# Allegro board Try it by yourself - iMX6Rex module - DIFF Pair activities.brd (continued)
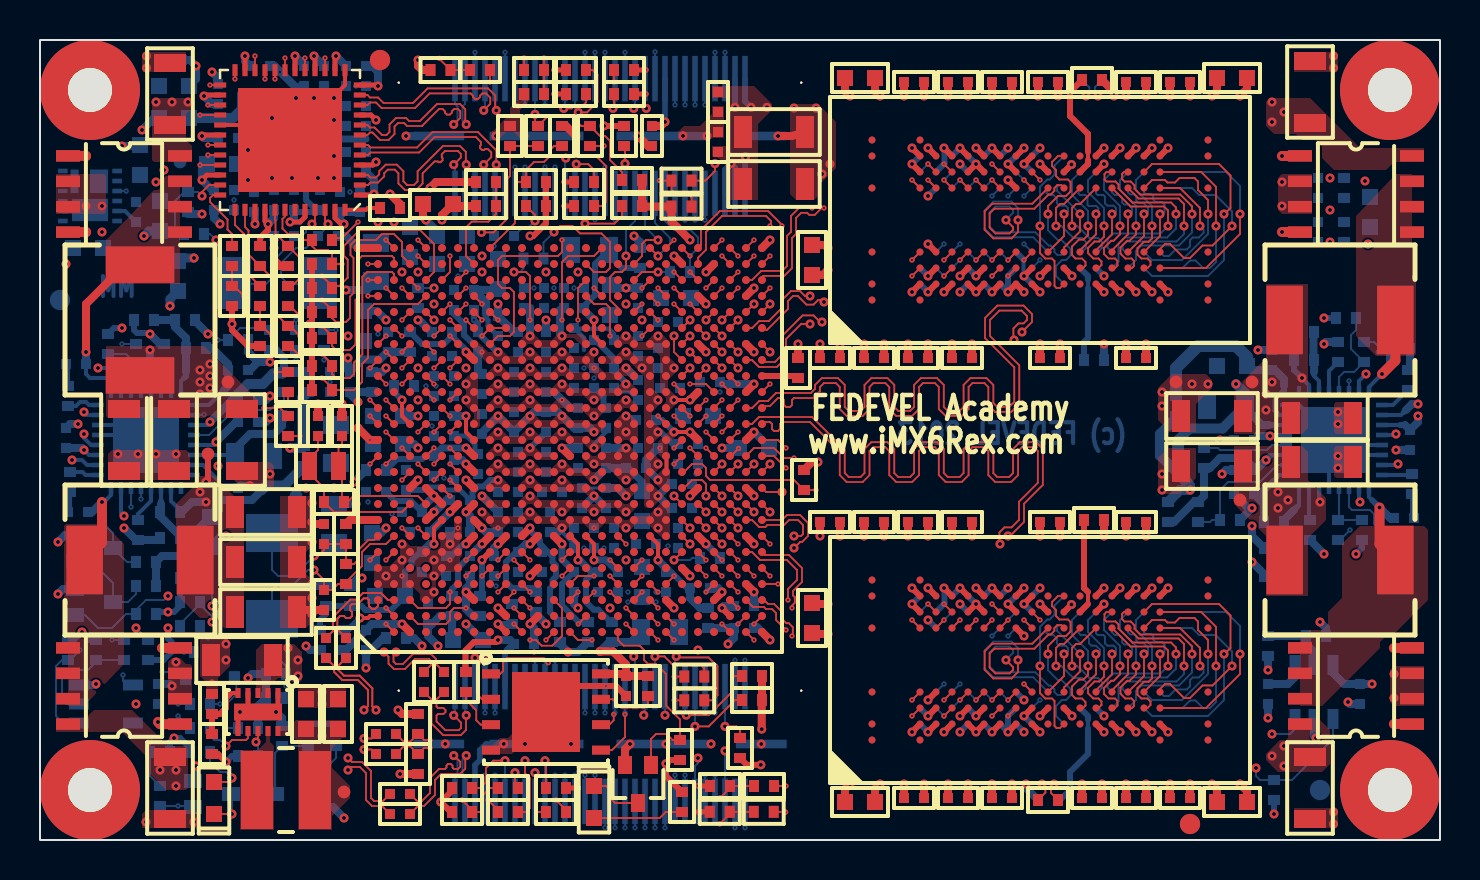
[diagram p0: board, top side]
## Routing (per net, layer and track width the routed paths; a pad name or vN(x,y) marks a point on that pad's centre or on a via; arc(x,y) is an arc through that point) (continued)
+DDR_VREF: length 169
  TOP w0.3: v1(34.1,11.6) U1.AC2 ; U4.M8 v1(53.2,33.8) ; U2.H1 v1(50,5.4) ; U4.H1 v1(50,27.4) ; U2.M8 v1(53.2,11.8)
  TOP w0.4: C9.1 v1(51,24.8) ; v1(50.9,37.2) C8.1 ; C4.1 v1(53.1,2.8) ; v1(51,15.2) C3.1
  L5 (PWR) w0.5: 40.6,16.1 40.6,14.5
  L5 (PWR) w0.6: 53.4,3.1 v1(53.1,2.8)
  L5 (PWR) w0.8: v1(53.2,28.2) 52.63,28.2 50.63,26.2 50.6,26.2 ; v1(53.2,33.8) 52.97,33.8 51.82,34.95 51.05,34.95 50.2,35.8 50.2,36.05 ; 50.2,36.05 50,35.85 v1(50,34.6) ; 50.2,36.05 50.62,36.48 50.62,36.92 v1(50.9,37.2) 51.8,36.3 56.7,36.3 60.7,32.3 61.6,32.3 ; v1(50,27.4) 50.6,26.8 50.6,26.2 ; 63.3,30.8 62.82,30.33 62.82,29.83 56.2,23.2 44,23.2 40.6,19.8 40.6,16.1 ; v1(34.1,11.6) 38,11.6 40.6,14.2 40.6,14.5 ; 53.4,3.1 54.4,4.1 58.1,4.1 62.3,8.3 62.3,10.7 64.92,13.33 64.92,17.13 65.7,17.9 65.7,22.27 63.47,24.5 63.47,26.63 65.22,28.38 65.22,29.8 ; 51,13.77 51,13.6 v1(50,12.6) ; 51,13.77 v1(51,15.2) 52,16.2 57.5,16.2 58.9,14.8 62,14.8 63.2,16 63.2,20.43 62.32,21.3 62.32,27.33 63.6,28.6 63.6,29.9 ; 51,13.77 52.97,11.8 v1(53.2,11.8) ; 50.6,26.2 50.6,25.35 51,24.95 v1(51,24.8) 51.1,24.9 52.1,24.9 52.72,25.53 55.82,25.53 61.3,31 61.6,31 ; 52.47,4.23 52.47,5.7 52.97,6.2 v1(53.2,6.2) ; 52.47,4.23 52.47,3.63 53.1,3 v1(53.1,2.8) ; 52.47,4.23 51.3,5.4 v1(50,5.4)
  BOTTOM w0.3: U3.M8 v1(53.2,6.2) ; U3.H1 v1(50,12.6) ; U5.H1 v1(50,34.6) ; U5.M8 v1(53.2,28.2)
  BOTTOM w0.4: C7.1 34.2,11.7 v1(34.1,11.6) ; v1(51,15.2) C3.1 ; C4.1 v1(53.1,2.8) ; v1(50.9,37.2) C8.1 ; C9.1 v1(51,24.8)
  vias: v1(64.5,31.5)
+HDMI_VP: length 4.8
  TOP w0.4: v1(24.5,14.8) U1.L7
  BOTTOM w0.3: R23.2 24.6,12.6 23.6,12.6 23.3,12.9 23.3,13.9 23.8,14.4 C75.1
  BOTTOM w0.4: C75.1 24.3,14.8 v1(24.5,14.8)
+HDMI_VPH: length 5.8
  TOP w0.4: U1.M7 v1(26.1,14.8)
  BOTTOM w0.3: R27.2 26.93,10.9 26.1,11.73 26.1,12.8 C76.1
  BOTTOM w0.35: v1(26.1,14.8) 26.1,14.03 26.7,13.43 C76.1
+LVDS_2V5: length 5.3
  TOP w0.2: v1(30.9,14) 30.9,14.8 U1.V7
  BOTTOM w0.3: C243.1 32.36,12.6 31.56,13.4 31.4,13.4
  BOTTOM w0.4: C243.1 32.5,12.1 33,11.6 R34.2 ; v1(30.9,14) 31.4,13.5 31.4,13.4 C77.1
+NVCC_CSI: length 6
  TOP w0.2: U1.N7 26.9,14.8 v1(26.9,14)
  BOTTOM w0.3: 27.7,13.4 27.3,13 27.3,11.9 27.69,11.51 27.91,11.51 28.53,10.9 R76.1
  BOTTOM w0.35: C145.1 27.59,13.4 26.99,14 v1(26.9,14)
+NVCC_ENET: length 8.2
  TOP w0.2: 27.7,26.1 v1(27.7,26) 27.7,25.2 U1.R19
  BOTTOM w0.3: R74.1 29.88,28.6 ; 29.88,28.6 29.08,28.6 28.45,29.23 C156.1 28.35,29.4 27.75,28.8 27.75,27.25 27.1,26.6 27.2,26.5 ; 29.88,28.6 29.98,28.7 30.1,28.7
  BOTTOM w0.4: v1(27.7,26) 27.2,26.5 C155.1
+NVCC_MIPI: length 6.4
  TOP w0.4: U1.K7 v1(24.5,15.6)
  BOTTOM w0.3: 25.1,14.7 25.62,14.17 25.62,13.9 25.8,13.73 25.8,13.17 25.62,13 25.62,12.7 25.5,12.58 25.5,11.4 R78.1 ; 25.1,14.7 C149.1 ; 25.1,14.7 25,14.8 25,14.97 24.5,15.47 v1(24.5,15.6)
+NVCC_RGMII: length 4.4
  TOP w0.4: v1(21.3,24.4) U1.G18
  BOTTOM w0.3: R80.1 19.1,24.8 20.2,24.8 20.6,25.2 ; 20.6,25.2 21.3,24.5 v1(21.3,24.4) ; 20.6,25.2 C152.1
+PCIE_VP: length 3.8
  TOP w0.4: v1(22.1,14.8) U1.H7
  BOTTOM w0.3: R13.2 20.6,12.54 20.9,12.84 20.9,13.6 C61.1
  BOTTOM w0.4: C61.1 v1(22.1,14.8)
+PCIE_VPH: length 2.8
  TOP w0.4: v1(21.3,14.8) U1.G7
  BOTTOM w0.3: v1(21.3,14.8) 21.17,14.8 20.57,14.2 C64.1
  BOTTOM w0.4: R14.2 18.7,10.1 v1(19.1,9.7)
+PCIE_VPTX: length 2.6
  TOP w0.4: U1.G8 v1(22.1,15.6)
  BOTTOM w0.4: v1(22.1,15.6) 22.3,15.4 C62.1 ; v1(21.3,10.8) 22.1,10 FB1.2
+SATA_VP: length 2.7
  TOP w0.2: v1(21.3,21.2) 21.3,20.4 U1.G13
  BOTTOM w0.4: R18.2 17.1,23.4 v1(17.3,23.6) ; C68.1 v1(21.3,21.2)
+SATA_VPH: length 5
  TOP w0.4: v1(21.3,19.6) U1.G12
  BOTTOM w0.3: R19.2 17.85,19.05 19.1,19.05 19.25,19.2 C73.1
  BOTTOM w0.35: v1(21.3,19.6) 20.1,19.6 C73.1
+VREF1_2V_1V5: length 3.6
  BOTTOM w0.2: 61,17.3 61,17 ; U13.1 61.95,18.25 61.68,17.98
  BOTTOM w0.3: 61.68,17.98 61.4,17.7
  BOTTOM w0.4: R135.2 61.2,16.8 61,17 C238.1 ; 61.4,17.7 61,17.3
+VREF1_2V_1V375: length 4.6
  BOTTOM w0.2: 9.1,22.4 8.45,21.75 U11.1
  BOTTOM w0.3: 9.22,22.52 9.1,22.4
  BOTTOM w0.4: R120.1 8.6,24.6 9.4,23.8 C219.1 9.4,22.7 9.22,22.52
+VREF1_3V3_1V5: length 9.5
  L5 (PWR) w0.6: v1(61.5,20.2) 59.9,18.6 59.9,16.4 v1(60.6,15.7)
  BOTTOM w0.2: C237.1 60.7,20.1 60.85,20.25 61.5,20.25 v1(61.5,20.2) 61.55,20.25 U13.5
  BOTTOM w0.4: R134.2 60.6,15.2 v1(60.6,15.7) ; C237.1 60.9,20.2 v1(61.5,20.2)
+VREF1_3V3_1V375: length 10.3
  L10 w0.5: v1(8.4,25.3) 7.4,24.3 7.4,20.9 8.4,19.9 v1(8.8,19.9)
  BOTTOM w0.2: v1(8.8,19.9) 8.65,19.75 U11.5
  BOTTOM w0.4: R119.2 7.75,25.95 v1(8.4,25.3) ; v1(8.8,19.9) 9.8,20.9 C218.1
AUD3_CLK: length 4.6
  TOP w0.093: R160.2 33.21,8.59 32.99,8.81 31.59,8.81 31.22,9.18 v1(30.75,9.18)
  BOTTOM w0.101: J2.20 v1(30.75,9.18)
AUD3_CLK_R: length 10.8
  TOP w0.093: v2(31.71,8.17) R160.1 ; v2(28.5,14) U1.T5
  L2 w0.1: v2(31.71,8.17) v3(32.11,8.17) ; v3(28.2,13.7) v2(28.5,14)
  L3 w0.08: v3(32.11,8.17) 31.84,7.9 30.95,7.9 30.06,8.79 30.06,9.34 29.23,10.17 28.8,10.17 28.22,10.74 28.22,11.17 27.7,11.7 27.7,13.2 v3(28.2,13.7)
AUD3_RXD: length 11.3
  TOP w0.093: U1.N3 v2(26.9,12.4)
  L2 w0.1: v2(26.9,12.4) v3(26.9,12.8)
  L3 w0.08: v3(26.9,12.8) 26.9,12.13 27.27,11.76 27.27,11.17 26.9,10.8 26.9,10.4 27.42,9.88 27.42,9.19 27.77,8.84 28.55,8.84 28.99,8.41 29.3,8.41 30.19,7.52 v1(30.19,6.24)
  BOTTOM w0.093: v1(30.19,6.24) 30.25,6.31 J2.22
AUD3_TXC: length 6
  TOP w0.093: v1(31.81,9.18) 31.87,9.13 33.43,9.13 33.87,8.68 33.87,7.24 33.62,6.98 R72.2
  BOTTOM w0.101: v1(31.81,9.18) 31.75,9.12 J2.16
AUD3_TXC_R: length 8.3
  TOP w0.093: v2(31.71,6.98) R72.1 ; U1.N1 26.9,10 v2(27.6,10)
  L2 w0.1: v2(27.6,10) v3(27.9,10.3) ; v2(31.71,6.98) v3(32.11,6.98)
  L3 w0.08: v3(27.9,10.3) 27.9,10.06 29.16,8.81 29.57,8.81 31.39,6.98 v3(32.11,6.98)
AUD3_TXD: length 9
  TOP w0.093: v2(26.91,10.8) 27.31,11.2 U1.P2
  L2 w0.1: v2(26.91,10.8) v3(27.21,10.5)
  L3 w0.08: v3(27.21,10.5) 27.62,10.09 27.62,9.27 27.86,9.04 28.63,9.04 29.07,8.61 29.43,8.61 30.45,7.59 30.45,7.23 31.25,6.43 v1(31.25,6.24)
  BOTTOM w0.093: v1(31.25,6.24) J2.18
AUD3_TXFS: length 8.6
  TOP w0.093: v2(27.7,13.2) 26.9,13.2 U1.N4
  L2 w0.1: v3(27.3,13.2) v2(27.7,13.2)
  L3 w0.08: v1(29.69,9.18) 29.16,9.18 28.2,10.14 28.2,10.42 27.5,11.12 27.5,11.81 27.3,12.01 v3(27.3,13.2)
  BOTTOM w0.093: J2.24 29.75,9.12 v1(29.69,9.18)
BOARD_VARIANT_0: length 5.4
  TOP w0.093: R143.2 R111.1 22.8,31.3 22.41,30.92 21.58,30.92 21.3,30.63 21.3,29.2 U1.G24
BOARD_VARIANT_1: length 7.4
  TOP w0.093: U1.H25 23.75,30.85 23.75,32.75 23.9,32.9 R137.1 24.3,33.5 24.7,33.9 25.2,33.9 25.5,34.2 25.5,34.5 25.7,34.7 R144.2
BOOT_MODE: length 57.8
  L10 w0.08: v5(23.55,39.08) 23.31,39.33 21.82,39.33 17.17,34.68 17.17,33.57 17.07,33.48 17.07,31.68 15.4,30 12.63,30 8.9,26.27 8.4,26.27 6.75,24.62 6.75,23.95 6.6,23.8 6.6,20.5 7.6,19.5 7.6,17.1 7.3,16.8 7.3,14.8 7.1,14.6 7.1,12.6 7.5,12.2 7.5,10.5 8,10 8,6.7 8.4,6.3 8.4,4.1 8.58,3.92 8.58,3.12 9.2,2.5 10.9,2.5 11.2,2.2 13.05,2.2 v5(13.25,2.4)
  L11 w0.1: v6(23.25,39.38) v5(23.55,39.08) ; v5(13.25,2.4) v6(13.65,2.4)
  BOTTOM w0.093: v6(13.65,2.4) Q9.1 13.65,3.45 14,3.8 14.5,3.8 14.8,4.1 R165.1 ; J1.50 v6(23.25,39.38)
BOOT_MODE0: length 39.1
  TOP w0.093: v2(18.1,19.6) U1.C12
  L2 w0.1: v2(18.1,19.6) v3(18.4,19.3)
  L3 w0.08: v4(10.3,1.4) 10.02,1.68 8.07,1.68 7.7,1.3 6.6,1.3 6.4,1.5 6.4,4.17 7.22,5 7.22,10.31 6.53,11 6.27,11 6,11.27 6,13.6 7.93,15.53 8.26,15.53 9.46,16.73 11.61,16.73 12.25,17.37 12.25,17.83 13.32,18.9 15.8,18.9 16.3,19.4 18.3,19.4 v3(18.4,19.3)
  L10 w0.08: v4(10.3,1.4) v5(10.75,1.4)
  L11 w0.1: v5(10.75,1.4) v6(11.05,1.7)
  BOTTOM w0.093: v6(11.05,1.7) 11.65,2.3 Q9.3 11.75,4.35 R58.2 R104.1
BOOT_MODE1: length 26.1
  TOP w0.093: v2(20.5,19.6) U1.F12
  L2 w0.1: v2(20.5,19.6) v3(20.8,19.9)
  L3 w0.08: v3(20.8,19.9) 20.8,19.57 21.17,19.2 21.5,19.2 21.8,18.9 21.8,18.6 21.6,18.4 20.8,18.4 20.6,18.6 18.69,18.6 18.32,18.24 18.32,18.09 17.46,17.23 13.26,17.23 11.83,15.8 10.43,15.8 9.46,14.83 8.39,14.83 7.4,13.83 7.4,11.4 7.9,10.9 v1(8.6,10.9)
  BOTTOM w0.093: 8,11.8 R103.1 ; 8,11.8 8,11.77 8.6,11.17 v1(8.6,10.9) ; 8,11.8 7,10.8 R57.2
CFF: length 1.2
  BOTTOM w0.2: C179.2 4.25,31.45 U9.11
CLK1_C_N: length 15.9
  TOP w0.09: v2(18.1,15.6) U1.C7 ; C66.1 16.57,4.53 v1(16.2,4.53)
  L2 w0.1: v2(18.1,15.6) v3(18.4,15.9)
  L3 w0.085: v3(18.4,15.9) v4(18.7,15.6)
  L10 w0.085: v1(16.2,4.53) 15.57,4.53 15.3,4.8 15.3,5.62 15.51,5.82 15.51,7 17.28,8.78 17.8,8.78 18.3,9.28 18.3,9.82 18.47,9.98 18.47,11.66 18.97,12.17 18.97,15.33 v4(18.7,15.6)
CLK1_C_P: length 15.5
  TOP w0.09: C67.1 16.57,5.08 v1(16.2,5.08) ; v2(18.9,15.6) U1.D7
  L2 w0.1: v2(18.9,15.6) v3(19.2,15.9)
  L3 w0.085: v3(19.2,15.9) v4(19.5,15.6)
  L10 w0.085: v1(16.2,5.08) 16.1,5.08 15.83,4.81 15.69,4.81 15.58,4.92 15.58,5.5 15.79,5.71 15.79,6.89 17.4,8.5 17.92,8.5 18.58,9.16 18.58,9.7 18.75,9.87 18.75,11.55 19.25,12.05 19.25,15.35 v4(19.5,15.6)
CLK1_N: length 11.1
  TOP w0.09: v2(19.5,4.6) 19.2,4.6 R17.2 18.52,4.68 18.17,4.68 C66.2
  L2 w0.1: v3(19.1,4.6) v2(19.5,4.6)
  L3 w0.085: v4(18.6,4.53) 18.67,4.6 v3(19.1,4.6)
  L10 w0.085: v5(23.85,5.96) 23.87,5.94 23.87,5.47 23.57,5.17 19.95,5.17 19.43,4.65 18.72,4.65 v4(18.6,4.53)
  L11 w0.1: v5(23.85,5.96) v6(24.25,6.36)
  BOTTOM w0.09: v6(24.25,6.36) J2.46
CLK1_P: length 11.1
  TOP w0.09: v2(19.5,5) 19.2,5 R16.2 18.52,4.93 18.17,4.93 C67.2
  L2 w0.1: v3(19.1,5) v2(19.5,5)
  L3 w0.085: v4(18.6,5.13) 18.72,5 v3(19.1,5)
  L10 w0.085: v5(23.35,5.96) 23.35,5.93 23.59,5.69 23.59,5.59 23.45,5.45 23.25,5.45 23.2,5.5 23.2,5.6 23.1,5.7 23,5.7 22.9,5.6 22.9,5.5 22.85,5.45 19.84,5.45 19.31,4.93 18.85,4.93 18.65,5.13 v4(18.6,5.13)
  L11 w0.1: v5(23.35,5.96) v6(23.75,6.36)
  BOTTOM w0.09: J2.48 v6(23.75,6.36)
CPU_XTALI: length 10
  TOP w0.093: U1.A7 16.7,15 16.42,15 15.9,14.48 15.9,14 15.7,13.8 R53.1 R37.1 C83.1 14.2,14.5 13.9,14.2 v1(13.7,14.2)
  BOTTOM w0.093: Y1.1 11.6,13.5 11.9,13.2 12.7,13.2 v1(13.7,14.2)
CPU_XTALO: length 10.4
  TOP w0.093: 14.3,12.6 14.2,12.6 ; 14.2,12.6 14.2,13 v1(13.7,13.5) ; 14.2,12.6 C84.1 14.6,12.5 14.9,12.8 R53.2 15.3,12.9 16.1,13.7 16.1,14.4 16.5,14.8 17.3,14.8 U1.B7
  BOTTOM w0.093: v1(13.7,13.5) 13.4,13.5 12.7,12.8 11.9,12.8 11.6,12.5 Y1.2
CSPI2_CLK: length 5.3
  BOTTOM w0.093: J1.17 31.25,30.96 31.7,30.5 32.53,30.5 32.9,30.13 32.9,29.6 32.5,29.2 R159.2
CSPI2_CLK_R: length 2
  TOP w0.093: v1(30.9,28.4) 30.1,28.4 U1.U23
  BOTTOM w0.093: v1(30.9,28.4) R159.1
CSPI2_CS0: length 4.3
  TOP w0.093: U1.V25 v1(30.9,29.2)
  BOTTOM w0.093: v1(30.9,29.2) 31.5,29.8 31.5,30.1 30.75,30.85 J1.19
CSPI2_MISO: length 4.6
  TOP w0.093: v1(30.9,30) 30.3,30 30.1,29.8 30.1,29.2 U1.U24
  BOTTOM w0.093: J1.21 30.25,30.65 v1(30.9,30)
CSPI2_MOSI: length 6.8
  TOP w0.093: U1.T21 28.9,26.6 28.5,27 28.5,28.15 28.75,28.4 29.1,28.4 29.3,28.6 v1(29.3,29.2)
  BOTTOM w0.093: v1(29.3,29.2) 29.3,30.51 29.75,30.95 J1.23
CSPI3_CLK: length 29.7
  TOP w0.093: v2(24.5,26) 24.5,28.2 24.3,28.4 v1(23.7,28.4) ; U10.6 28.46,5.77 28.69,5.99 v2(28.69,6.28)
  L2 w0.1: v2(24.5,26) v3(24.8,25.7) ; v2(28.69,6.28) v3(28.69,6.68)
  L3 w0.08: v3(24.8,25.7) 25.3,25.2 25.3,18.2 24.67,17.58 24.34,17.58 24,17.23 24,15.1 23.6,14.7 23.6,14.3 23.42,14.12 23.42,13.68 24.12,12.98 24.12,10.7 23.91,10.49 23.91,9.8 25.17,8.54 26.06,8.54 27.03,7.57 27.91,7.57 28.12,7.35 28.12,6.98 28.42,6.68 v3(28.69,6.68)
  BOTTOM w0.093: R112.2 24.17,28.58 24,28.4 v1(23.7,28.4)
CSPI3_CLK_R: length 7.6
  TOP w0.093: v1(25.7,30.4) 26,30.71 26.62,30.71 27,30.33 28.07,30.33 28.5,29.9 28.5,28.6 28.3,28.4 27.7,28.4 U1.P24
  BOTTOM w0.093: v1(25.7,30.4) 25.17,29.88 R112.1
CSPI3_CS2: length 28
  TOP w0.093: U10.1 23,8.31 23.15,8.45 23.15,8.89 23.35,9.09 25.19,9.09 v2(25.41,8.87) ; v2(26.1,26) 26.1,28.9 26.4,29.2 27.7,29.2 U1.R25
  L2 w0.1: v2(25.41,8.87) v3(25.81,8.87) ; v2(26.1,26) v3(26.4,25.7)
  L3 w0.08: v3(26.4,25.7) 26.9,25.2 26.9,17.7 26.3,17.1 25.8,17.1 25.2,16.5 25.2,12.78 25.7,12.28 25.7,11.21 25.87,11.04 25.87,9.76 25.7,9.59 25.7,8.98 v3(25.81,8.87)
CSPI3_MISO: length 27.8
  TOP w0.093: U1.P23 26.9,27.6 v2(26.9,26) ; v2(24.7,9.4) 22.57,9.4 21.84,8.67 21.84,7.3 22.11,7.04 U10.2
  L2 w0.1: v3(26.6,26.3) v2(26.9,26) ; v2(24.7,9.4) v3(25.1,9.4)
  L3 w0.08: v3(25.1,9.4) 25.23,9.4 25.67,9.84 25.67,10.96 25.5,11.13 25.5,12.1 24.9,12.7 24.9,16.58 25.72,17.4 26.2,17.4 26.6,17.8 26.6,24.5 26.27,24.83 25.94,24.83 25.72,25.04 25.72,25.43 26.6,26.3 v3(26.6,26.3)
CSPI3_MOSI: length 28.2
  TOP w0.093: U1.P22 27.7,26.8 28.3,26.8 28.5,26.6 v2(28.5,25.2) ; v2(29.25,6.28) 29.25,5.15 28.6,4.5 U10.5
  L2 w0.1: v2(29.25,6.28) v3(29.25,6.68) ; v3(28.2,24.9) v2(28.5,25.2)
  L3 w0.08: v3(29.25,6.68) 28.03,7.9 27.37,7.9 26,9.27 26,9.6 26.07,9.68 26.07,11.13 25.9,11.3 25.9,12.47 25.5,12.87 25.5,16.4 25.9,16.8 26.4,16.8 27.2,17.6 27.2,24.43 27.67,24.9 v3(28.2,24.9)
DRAM0_ZQ: length 4.8
  TOP w0.2: 52.4,12.4 52.4,11.8
  TOP w0.3: 52.4,11.8 U2.L8 ; R4.2 52.2,12.6 52.4,12.4
DRAM1_ZQ: length 5.4
  BOTTOM w0.2: 52.4,6 52.4,5.6
  BOTTOM w0.3: 52.4,6 52.4,6.2 U3.L8 ; 52.4,5.6 52.4,4.3 51.5,3.4 51.5,2.5 51,2 R5.2
DRAM2_ZQ: length 5.4
  TOP w0.2: 52.4,34.4 52.4,34
  TOP w0.3: U4.L8 52.4,33.8 52.4,34 ; 52.4,34.4 52.4,35.3 51.5,36.2 51.5,37.4 R8.2
DRAM3_ZQ: length 4.8
  BOTTOM w0.2: 52.4,28 52.4,27.6
  BOTTOM w0.3: R9.2 52.2,24.9 52.4,25.1 52.4,27.6 ; 52.4,28 52.4,28.2 U5.L8
DRAM_A0: length 70.8
  TOP w0.093: U2.N3 53.6,7.48 54.4,8.28 v1(54.4,9.3) ; v1(54.4,31.3) 54.4,30.28 53.6,29.48 U4.N3 ; v2(34.1,20.4) U1.AC14
  L2 w0.1: v2(34.1,20.4) v3(34.4,20.1)
  L3 w0.08: v4(52.9,18.6) 52.62,18.6 51.27,17.25 46.11,17.25 45.69,17.68 44.6,17.68 44.42,17.5 40.83,17.5 38.73,19.6 36.9,19.6 36.71,19.42 36.71,19.18 36.87,19.02 36.87,18.64 36.66,18.43 36.24,18.43 35.9,18.08 35.9,17.75 35.75,17.6 35.5,17.6 35.35,17.75 35.35,18.05 35.2,18.2 34.95,18.2 34.8,18.05 34.8,17.75 34.65,17.6 34.4,17.6 34.25,17.75 34.25,18.05 34.1,18.2 33.25,18.2 33.12,18.33 33.12,18.7 33.25,18.83 33.53,18.83 33.9,19.2 34.23,19.2 34.6,19.57 34.6,19.9 v3(34.4,20.1)
  L10 w0.08: v1(54.4,9.3) 54.4,9.69 57,12.29 57,13 56.77,13.23 56.45,13.23 56.25,13.42 56.25,14.49 56.11,14.63 55.86,14.63 55.71,14.48 55.71,13.84 55.56,13.69 55.31,13.69 55.15,13.85 55.15,14.69 55.28,14.82 55.55,14.82 55.67,14.94 55.67,15.63 55.55,15.75 55.28,15.75 55.15,15.88 55.15,16.62 54.72,17.05 54.22,17.05 53.77,17.5 53.77,17.75 54.17,18.15 54.17,18.4 54.02,18.55 53.77,18.55 53.37,18.15 53.12,18.15 52.9,18.37 v4(52.9,18.6) 52.1,19.4 52.1,19.65 52.25,19.8 52.5,19.8 52.7,20 52.7,21.74 53.7,22.74 53.7,23 55.12,24.43 55.46,24.43 55.67,24.64 55.67,25.42 57.3,27.04 57.3,27.76 56.26,28.8 55.99,28.8 54.4,30.39 v1(54.4,31.3)
  BOTTOM w0.093: U3.N3 53.6,10.38 53.73,10.25 53.96,10.25 54.11,10.11 54.11,9.87 54.21,9.78 54.44,9.78 54.6,9.62 54.6,9.4 54.5,9.3 v1(54.4,9.3) ; U5.N3 53.6,32.38 53.73,32.25 53.96,32.25 54.11,32.11 54.11,31.87 54.21,31.78 54.44,31.78 54.6,31.62 54.6,31.4 54.5,31.3 v1(54.4,31.3)
DRAM_A1: length 74
  TOP w0.093: U2.P7 54.92,10.08 56.92,10.08 57.2,9.8 v1(57.2,8.7) ; v1(57.2,30.7) 57.2,31.8 56.92,32.08 54.92,32.08 U4.P7 ; U1.AB14 v2(34.1,21.2)
  L2 w0.1: v3(33.8,20.9) v2(34.1,21.2)
  L3 w0.08: v3(33.8,20.9) 33.91,21.01 34.08,21.01 34.17,21.1 39.25,21.1 41.35,19 46.06,19 46.33,18.73 46.66,18.73 46.93,19 47.5,19 48.02,18.48 50.83,18.48 52.25,19.9 53.33,19.9 53.66,20.23 55.25,20.23 55.45,20.43 56.76,20.43 57.05,20.72 57.05,21.5 56.9,21.65 56.65,21.65 56.5,21.5 56.5,21.3 56.2,21 v4(55.9,21)
  L10 w0.08: v1(57.2,8.7) 57.2,9.99 58.7,11.49 58.7,17.45 56.85,19.3 56.85,19.41 55.9,20.36 v4(55.9,21) 55.9,21.23 56,21.33 56.26,21.33 56.43,21.5 57.45,21.5 57.6,21.65 57.6,21.9 57.45,22.05 56.65,22.05 56.5,22.2 56.5,22.45 56.65,22.6 56.95,22.6 57.02,22.68 57.02,23.48 59.05,25.5 59.05,28.66 57.2,30.51 v1(57.2,30.7)
  BOTTOM w0.093: U3.P7 54.27,7.4 54.12,7.55 54.12,7.74 54.31,7.93 56.82,7.93 57.2,8.3 v1(57.2,8.7) ; v1(57.2,30.7) 57.2,30.3 56.82,29.93 54.31,29.93 54.12,29.74 54.12,29.55 54.27,29.4 U5.P7
DRAM_A2: length 68.5
  TOP w0.093: v1(55.2,31.3) 55.2,30.2 U4.P3 ; v1(55.2,9.3) 55.2,8.2 U2.P3 ; U1.AA14 v2(33.3,21.2)
  L2 w0.1: v3(33,20.9) v2(33.3,21.2)
  L3 w0.08: v4(53.3,20.4) 52.45,20.4 51.55,19.5 51.07,19.5 50.9,19.68 48.98,19.68 48.85,19.55 48.85,19.1 48.7,18.95 48.45,18.95 48.3,19.1 48.3,19.45 48.15,19.6 46.88,19.6 46.78,19.7 46.6,19.7 46.45,19.85 46.45,20.25 46.3,20.4 46.05,20.4 45.9,20.25 45.9,19.85 45.75,19.7 45.5,19.7 45.35,19.85 45.35,20.25 45.2,20.4 44.95,20.4 44.8,20.25 44.8,19.85 44.65,19.7 44.4,19.7 44.25,19.85 44.25,20.55 44.1,20.7 43.85,20.7 43.7,20.55 43.7,19.85 43.55,19.7 43.3,19.7 43.15,19.85 43.15,20.55 43,20.7 42.75,20.7 42.6,20.55 42.6,19.85 42.45,19.7 42.2,19.7 42.05,19.85 42.05,20.55 41.9,20.7 41.65,20.7 41.5,20.55 41.5,20.35 41.35,20.2 41.15,20.2 39.5,21.85 36.13,21.85 36.09,21.82 34.89,21.82 34.72,21.98 34.48,21.98 34.31,21.82 34.31,21.81 33.92,21.41 33.51,21.41 v3(33,20.9)
  L10 w0.08: v1(55.2,9.3) 55.2,9.78 57.45,12.03 57.45,14.78 56.94,15.29 56.94,15.89 56.63,16.21 55.89,16.21 55.6,16.5 55.6,16.8 54.92,17.48 54.92,18.71 54.46,19.18 53.72,19.18 53.3,19.6 v4(53.3,20.4) 53.3,21.65 56.2,24.55 56.2,25.26 56.35,25.41 56.6,25.41 56.76,25.25 57,25.25 57.15,25.4 57.15,25.64 56.99,25.79 56.99,26.03 57.8,26.84 57.8,27.97 55.2,30.57 v1(55.2,31.3)
  BOTTOM w0.093: U5.P3 54.4,32.38 54.5,32.28 54.74,32.28 54.82,32.2 54.82,31.97 54.93,31.85 55.16,31.85 55.4,31.62 55.4,31.4 55.3,31.3 v1(55.2,31.3) ; U3.P3 54.4,10.38 54.5,10.28 54.74,10.28 54.82,10.2 54.82,9.97 54.93,9.85 55.16,9.85 55.4,9.62 55.4,9.4 55.3,9.3 v1(55.2,9.3)
DRAM_A3: length 72.4
  TOP w0.093: v2(31.7,21.2) U1.Y14 ; v1(54,30.7) 54,30.28 53.68,29.96 53.56,29.96 53.2,29.6 53.2,29.3 53.42,29.08 53.75,29.08 53.87,28.95 53.87,28.73 53.75,28.6 U4.N2 ; U2.N2 53.75,6.6 53.87,6.73 53.87,6.95 53.75,7.08 53.42,7.08 53.2,7.3 53.2,7.6 53.56,7.96 53.68,7.96 54,8.28 v1(54,8.7)
  L2 w0.1: v3(31.4,21.5) v2(31.7,21.2)
  L3 w0.08: v3(31.4,21.5) 31.27,21.63 31.27,22.16 31.05,22.38 31.05,22.95 30.9,23.1 30.65,23.1 30.5,22.95 30.5,22.6 30.29,22.39 29.89,22.39 29.7,22.2 29.7,21.8 30.5,21 32.41,21 33.31,21.9 33.6,21.9 33.68,21.98 34.18,21.98 34.38,22.19 34.83,22.19 35,22.02 36.01,22.02 36.1,22.1 39.53,22.1 40.68,20.95 44.15,20.95 44.5,20.6 46.5,20.6 47.22,19.87 50.03,19.87 50.23,20.08 51.22,20.08 v4(51.4,19.9)
  L10 w0.08: v1(54,8.7) 54,9.64 56.8,12.44 56.8,12.78 56.61,12.98 56.04,12.98 55.56,13.45 55.15,13.45 54.9,13.7 54.9,16.53 54.63,16.8 54.13,16.8 51.4,19.53 v4(51.4,19.9) 51.4,20.2 51.65,20.45 51.85,20.45 52.1,20.2 52.35,20.2 52.5,20.35 52.5,20.7 52.3,20.9 52.3,21.7 53.4,22.8 53.4,23.04 54.92,24.56 54.92,25.04 57.05,27.16 57.05,27.66 56.21,28.5 55.93,28.5 54,30.43 v1(54,30.7)
  BOTTOM w0.093: v1(54,30.7) 54,31.7 53.2,32.5 53.2,33 U5.N2 ; U3.N2 53.2,11 53.2,10.5 54,9.7 v1(54,8.7)
DRAM_A4: length 75.9
  TOP w0.093: v2(30.9,21.2) U1.W14 ; v1(57.6,31.3) 57.6,31.68 57.01,32.28 55.01,32.28 54.72,32.56 54.72,32.73 54.53,32.93 54.22,32.93 54.1,33.05 54.1,33.3 54.2,33.4 U4.P8 ; v1(57.6,9.3) 57.6,9.68 57.01,10.28 55.01,10.28 54.72,10.56 54.72,10.73 54.53,10.93 54.22,10.93 54.1,11.05 54.1,11.3 54.2,11.4 U2.P8
  L2 w0.1: v3(30.6,21.5) v2(30.9,21.2)
  L3 w0.08: v3(30.6,21.5) 30.88,21.22 32.35,21.22 33.23,22.1 33.51,22.1 33.8,22.39 34.91,22.39 35.08,22.22 35.93,22.22 36.06,22.35 39.57,22.35 40.72,21.2 44.19,21.2 44.54,20.85 46.6,20.85 47.32,20.13 50,20.13 50.15,20.28 51.14,20.28 51.52,20.65 52.95,20.65 53.1,20.8 53.43,20.8 53.81,20.43 55.16,20.43 55.36,20.63 56.42,20.63 v4(56.6,20.8)
  L10 w0.08: v1(57.6,9.3) 57.6,10.04 58.95,11.39 58.95,17.6 56.6,19.95 v4(56.6,20.8) 57,21.2 57.45,21.2 57.8,21.55 57.8,22.02 57.22,22.59 57.22,23.28 59.3,25.35 59.3,28.76 57.6,30.46 v1(57.6,31.3)
  BOTTOM w0.093: U5.P8 54.8,29 54.8,29.46 55.07,29.73 56.95,29.73 57.6,30.38 v1(57.6,31.3) ; v1(57.6,9.3) 57.6,8.38 56.95,7.73 55.07,7.73 54.8,7.46 54.8,7 U3.P8
DRAM_A5: length 73.2
  TOP w0.093: v2(37.3,19.6) 36.9,20 U1.AE13 ; U4.P2 54.6,28.6 54.7,28.7 54.7,28.95 54.57,29.08 54.27,29.08 54.02,29.32 54.02,29.63 54.36,29.96 54.48,29.96 54.8,30.28 v1(54.8,30.7) ; U2.P2 54.6,6.6 54.7,6.7 54.7,6.95 54.57,7.08 54.27,7.08 54.02,7.32 54.02,7.63 54.36,7.96 54.48,7.96 54.8,8.28 v1(54.8,8.7)
  L2 w0.1: v3(37,19.3) v2(37.3,19.6)
  L3 w0.08: v4(54.4,18.7) 54.45,18.65 54.45,17.9 54.3,17.75 54.05,17.75 53.9,17.9 53.9,18.65 53.75,18.8 53.5,18.8 53.35,18.65 53.35,17.45 53.5,17.3 54.5,17.3 54.65,17.15 54.65,16.9 54.5,16.75 53.05,16.75 52.9,16.9 52.9,17.7 52.67,17.93 52.27,17.93 51.35,17 46.08,17 45.6,17.48 44.68,17.48 44.45,17.25 40.75,17.25 39.47,18.52 38.74,18.52 38.52,18.74 38.52,18.96 38.18,19.3 37,19.3 v3(37,19.3)
  L10 w0.08: v1(54.8,8.7) 54.8,9.74 57.2,12.14 57.2,13.65 57.1,13.75 56.6,13.75 56.45,13.9 56.45,14.15 56.6,14.3 57.1,14.3 57.25,14.45 57.25,14.7 57.1,14.85 56.1,14.85 55.95,15 55.95,15.25 56.1,15.4 56.54,15.4 56.69,15.56 56.69,15.81 56.54,15.96 55.76,15.96 55.4,16.31 55.4,16.7 54.8,17.3 54.3,17.3 54.15,17.45 54.15,17.7 54.35,17.9 54.6,17.9 54.7,18 54.7,18.5 54.5,18.7 v4(54.4,18.7) 54.2,18.9 53.7,18.9 52.92,19.68 52.92,20.63 53,20.71 53,21.71 53.99,22.7 53.99,22.96 55.25,24.22 55.54,24.22 55.95,24.64 55.95,25.34 57.55,26.94 57.55,27.87 56.34,29.08 56.07,29.08 54.8,30.35 v1(54.8,30.7)
  BOTTOM w0.093: U5.P2 54,33 54,32.5 54.8,31.7 v1(54.8,30.7) ; v1(54.8,8.7) 54.8,9.7 54,10.5 54,11 U3.P2
DRAM_A6: length 79.7
  TOP w0.093: U1.AC13 v2(34.9,20.4) ; U4.R8 55.6,33.8 58.95,33.8 59.52,33.23 59.52,31.6 59.22,31.3 v1(59.2,31.3) ; U2.R8 55.6,11.8 58.95,11.8 59.52,11.23 59.52,9.6 59.22,9.3 v1(59.2,9.3)
  L2 w0.1: v2(34.9,20.4) v3(35.2,20.7)
  L3 w0.08: v3(35.2,20.7) 35.35,20.85 39.17,20.85 41.27,18.75 46.03,18.75 46.3,18.48 46.69,18.48 46.89,18.68 47.49,18.68 47.94,18.23 50.91,18.23 52.39,19.7 53.41,19.7 53.71,20 55.43,20 55.63,20.2 56.81,20.2 58.11,21.5 59.2,21.5 59.4,21.3 v4(59.4,20.7)
  L10 w0.08: v1(59.2,31.3) 59.2,30.5 60.3,29.4 60.3,24.9 60,24.6 60,23.82 60.17,23.64 60.17,22.5 59.9,22.22 59.9,21.5 59.75,21.35 59.35,21.35 59.2,21.2 59.2,20.9 v4(59.4,20.7) 59.4,19.37 59.97,18.79 59.97,10.68 59.2,9.9 v1(59.2,9.3)
  BOTTOM w0.093: v1(59.2,31.3) 59.2,29 58.4,28.2 55.6,28.2 U5.R8 ; v1(59.2,9.3) 59.2,7 58.4,6.2 55.6,6.2 U3.R8
DRAM_A7: length 71
  TOP w0.093: v1(55.6,8.7) 55.6,8.08 55.43,7.91 55.19,7.91 54.87,7.59 54.87,7.27 55.07,7.08 55.37,7.08 55.52,6.93 55.52,6.75 55.37,6.6 U2.R2 ; v1(55.6,30.7) 55.6,30.08 55.43,29.91 55.19,29.91 54.87,29.59 54.87,29.27 55.07,29.08 55.37,29.08 55.52,28.93 55.52,28.75 55.37,28.6 U4.R2 ; U1.Y13 v2(31.7,19.6)
  L2 w0.1: v3(31.4,19.3) v2(31.7,19.6)
  L3 w0.08: v4(53.9,19.6) 53.72,19.43 52.44,19.43 50.99,17.98 47.86,17.98 47.36,18.48 47.04,18.48 46.79,18.23 46.27,18.23 45.99,18.5 41.19,18.5 39.09,20.6 36.43,20.6 35.86,20.03 35.47,20.03 34.69,20.81 34.11,20.81 33.92,20.62 33.43,20.62 33.11,20.3 33.11,20.02 32.9,19.8 30,19.8 29.85,19.65 29.85,19.35 30,19.2 31.3,19.2 v3(31.4,19.3)
  L10 w0.08: v1(55.6,8.7) 55.6,9.83 57.7,11.93 57.7,14.9 57.14,15.46 57.14,16.02 56.76,16.41 56.09,16.41 55.8,16.7 55.8,16.9 55.12,17.58 55.12,18.8 54.52,19.4 54.1,19.4 v4(53.9,19.6) 53.72,19.78 53.72,21.68 57.55,25.5 57.55,26.25 58.05,26.75 58.05,28.07 55.6,30.52 v1(55.6,30.7)
  BOTTOM w0.093: U3.R2 54.8,11 54.8,10.5 55.6,9.7 v1(55.6,8.7) ; U5.R2 54.8,33 54.8,32.5 55.6,31.7 v1(55.6,30.7)
DRAM_A8: length 75.5
  TOP w0.093: U4.T8 58.06,33.4 58.8,32.66 v1(58.8,30.7) ; U2.T8 58.06,11.4 58.8,10.66 v1(58.8,8.7) ; v2(33.3,20.4) U1.AB13
  L2 w0.1: v2(33.3,20.4) v3(33.6,20.1)
  L3 w0.08: v3(33.6,20.1) 34,20.1 34.28,20.39 34.55,20.39 35.41,19.53 35.92,19.53 36.5,20.1 38.92,20.1 41.02,18 44.36,18 44.43,18.08 45.85,18.08 46.2,17.73 51.08,17.73 52.58,19.23 54.06,19.23 54.61,19.78 55.49,19.78 55.72,20 57,20 57.9,20.9 v4(58.7,20.9)
  L10 w0.08: v1(58.8,8.7) 58.8,10 59.72,10.93 59.72,18.58 58.62,19.68 58.62,20.2 58.7,20.28 v4(58.7,20.9) 58.7,21 58.55,21.15 58.55,21.4 58.7,21.55 59.55,21.55 59.7,21.7 59.7,21.95 59.55,22.1 59.3,22.1 59.1,22.3 59.1,22.95 59.33,23.18 59.7,23.18 59.85,23.33 59.85,23.58 59.7,23.73 59.37,23.73 59.22,23.87 59.22,24.18 60.05,25 60.05,29.25 58.8,30.5 v1(58.8,30.7)
  BOTTOM w0.093: U5.T8 57.13,28.6 57.5,28.97 57.78,28.97 58.15,28.6 58.5,28.6 58.8,28.9 v1(58.8,30.7) ; U3.T8 57.13,6.6 57.5,6.97 57.78,6.97 58.15,6.6 58.5,6.6 58.8,6.9 v1(58.8,8.7)
DRAM_A9: length 69.7
  TOP w0.093: v1(56,31.3) 56,30.2 U4.R3 ; v1(56,9.3) 56,8.2 U2.R3 ; v2(37.3,18.6) 36.7,19.2 U1.AE12
  L2 w0.1: v2(37.3,18.6) v3(37.6,18.3)
  L3 w0.08: v3(37.6,18.3) 37.17,18.3 36.9,18.03 36.52,18.03 36.3,17.8 36.3,17.5 36.5,17.3 36.5,17 36.12,16.63 36.12,16.24 36.34,16.03 36.66,16.03 36.88,16.25 55.35,16.25 55.9,16.8 55.9,17.07 55.6,17.37 55.6,17.7 55.77,17.87 56.55,17.87 56.77,18.1 56.77,18.52 56.6,18.7 55.6,18.7 v4(55.5,18.8)
  L10 w0.08: v1(56,9.3) 56,9.88 57.95,11.83 57.95,14.95 57.75,15.15 57.75,15.35 58,15.6 58,15.85 57.85,16 57.45,16 57.3,16.15 57.3,16.4 57.45,16.55 57.85,16.55 58,16.7 58,16.95 57.85,17.1 57.35,17.1 57.04,17.41 57.04,17.64 56.89,17.79 56.64,17.79 56.49,17.64 56.49,17.29 56.68,17.1 56.68,16.85 56.53,16.7 56.28,16.7 55.4,17.58 55.4,18.7 v4(55.5,18.8) 54.3,20 54.3,21.86 58.3,25.86 58.3,28.2 56,30.5 v1(56,31.3)
  BOTTOM w0.093: v1(56,31.3) 56.12,31.3 56.22,31.4 56.22,31.78 56.1,31.9 55.78,31.9 55.66,32.02 55.66,32.19 55.55,32.3 55.28,32.3 55.2,32.38 U5.R3 ; U3.R3 55.2,10.38 55.28,10.3 55.55,10.3 55.66,10.19 55.66,10.02 55.78,9.9 56.1,9.9 56.22,9.78 56.22,9.4 56.12,9.3 v1(56,9.3)